# Altium PCB main.PcbDoc
Units mm, origin at the board's own origin, x right, y up, seen from the top; angles counter-clockwise.
Board outline 40 x 27 mm, 4 copper layers (L1 Signal top, L2 Inner top, L3 Inner bottom, L4 Signal bottom), stack 1.56 mm thick; 79 components, 42 nets, 254 pads, 211 vias.
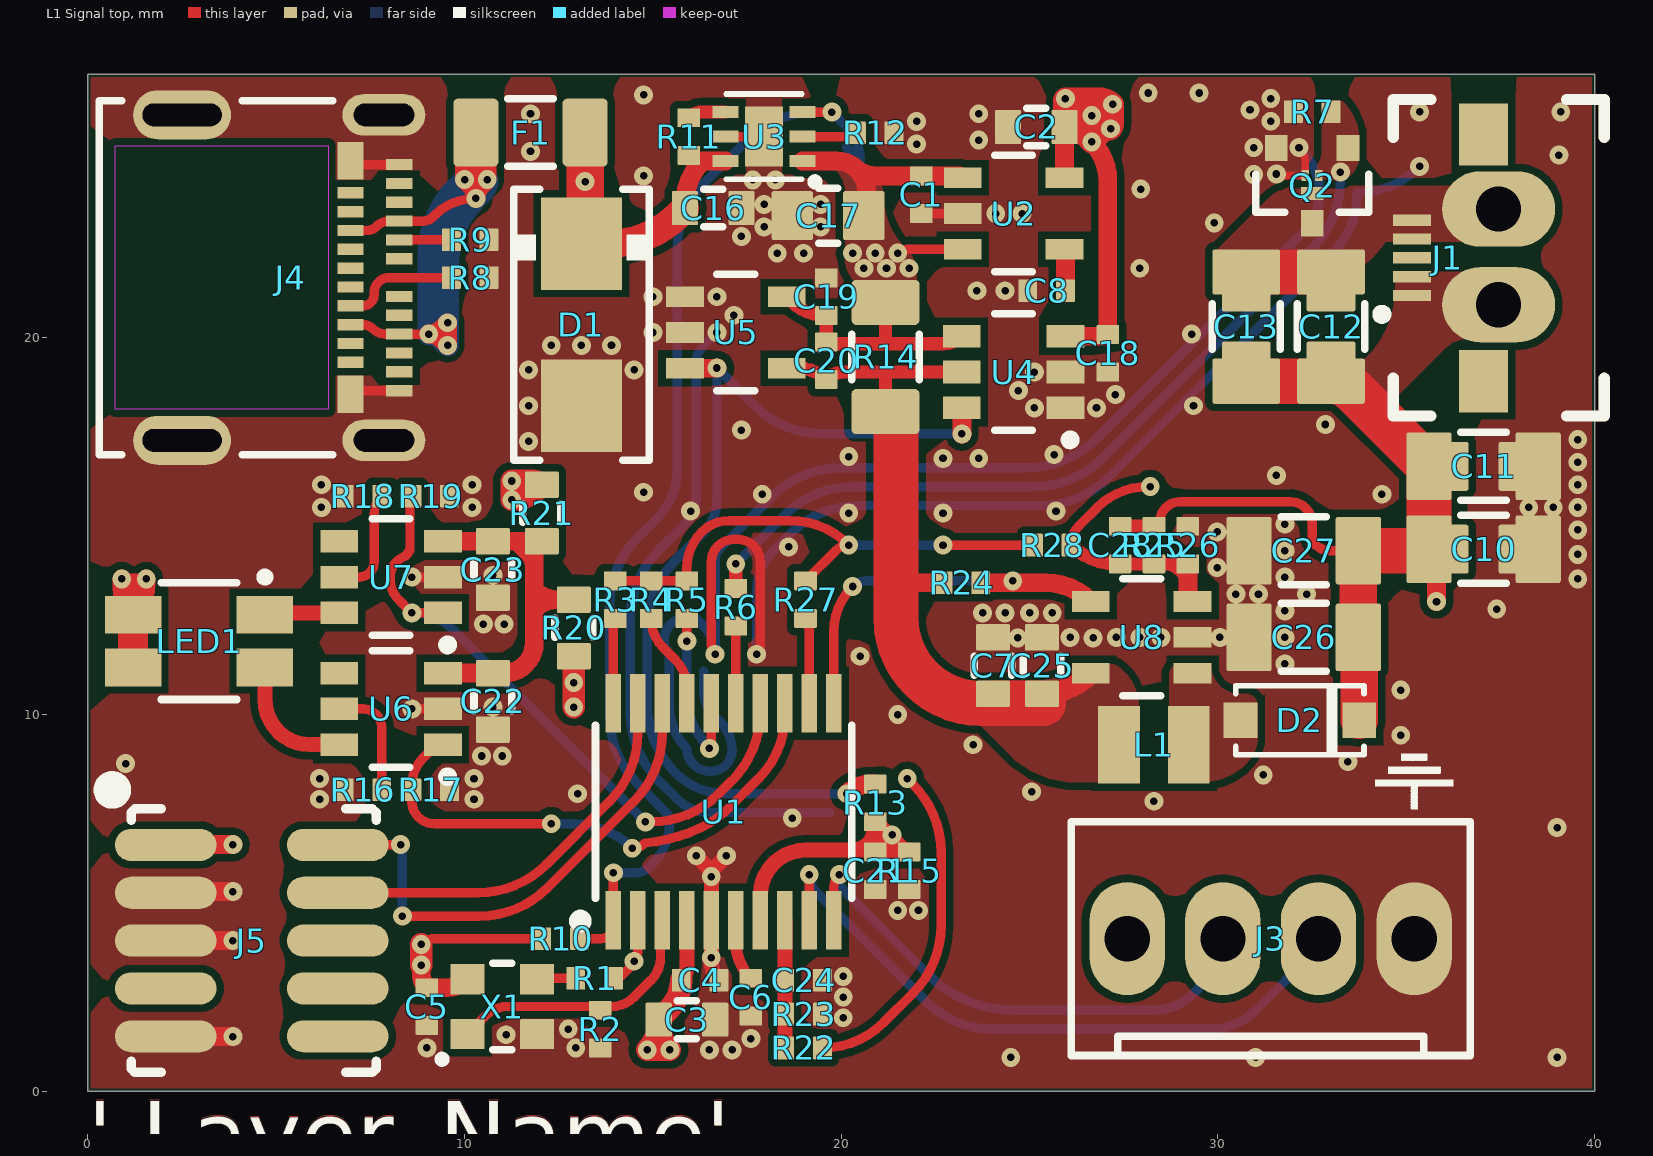
[diagram p0: L1 Signal top view]
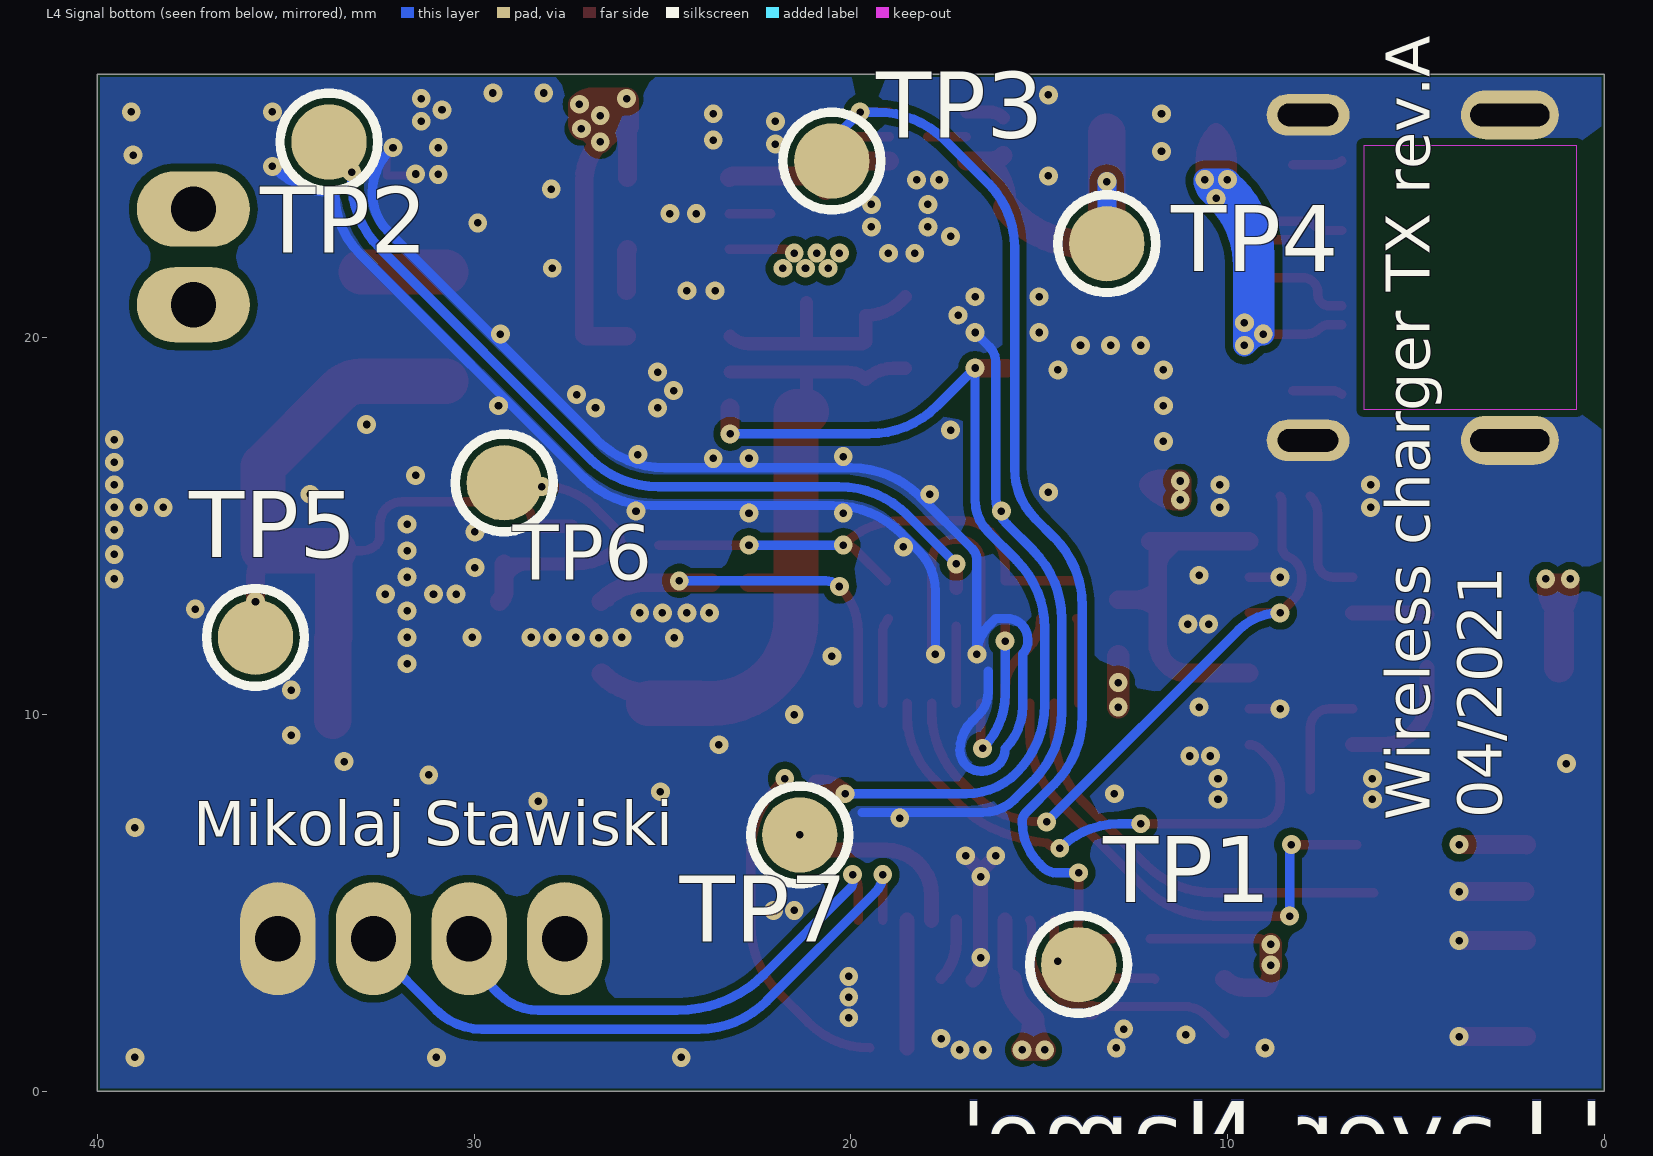
[diagram p1: L4 Signal bottom view, seen from below]
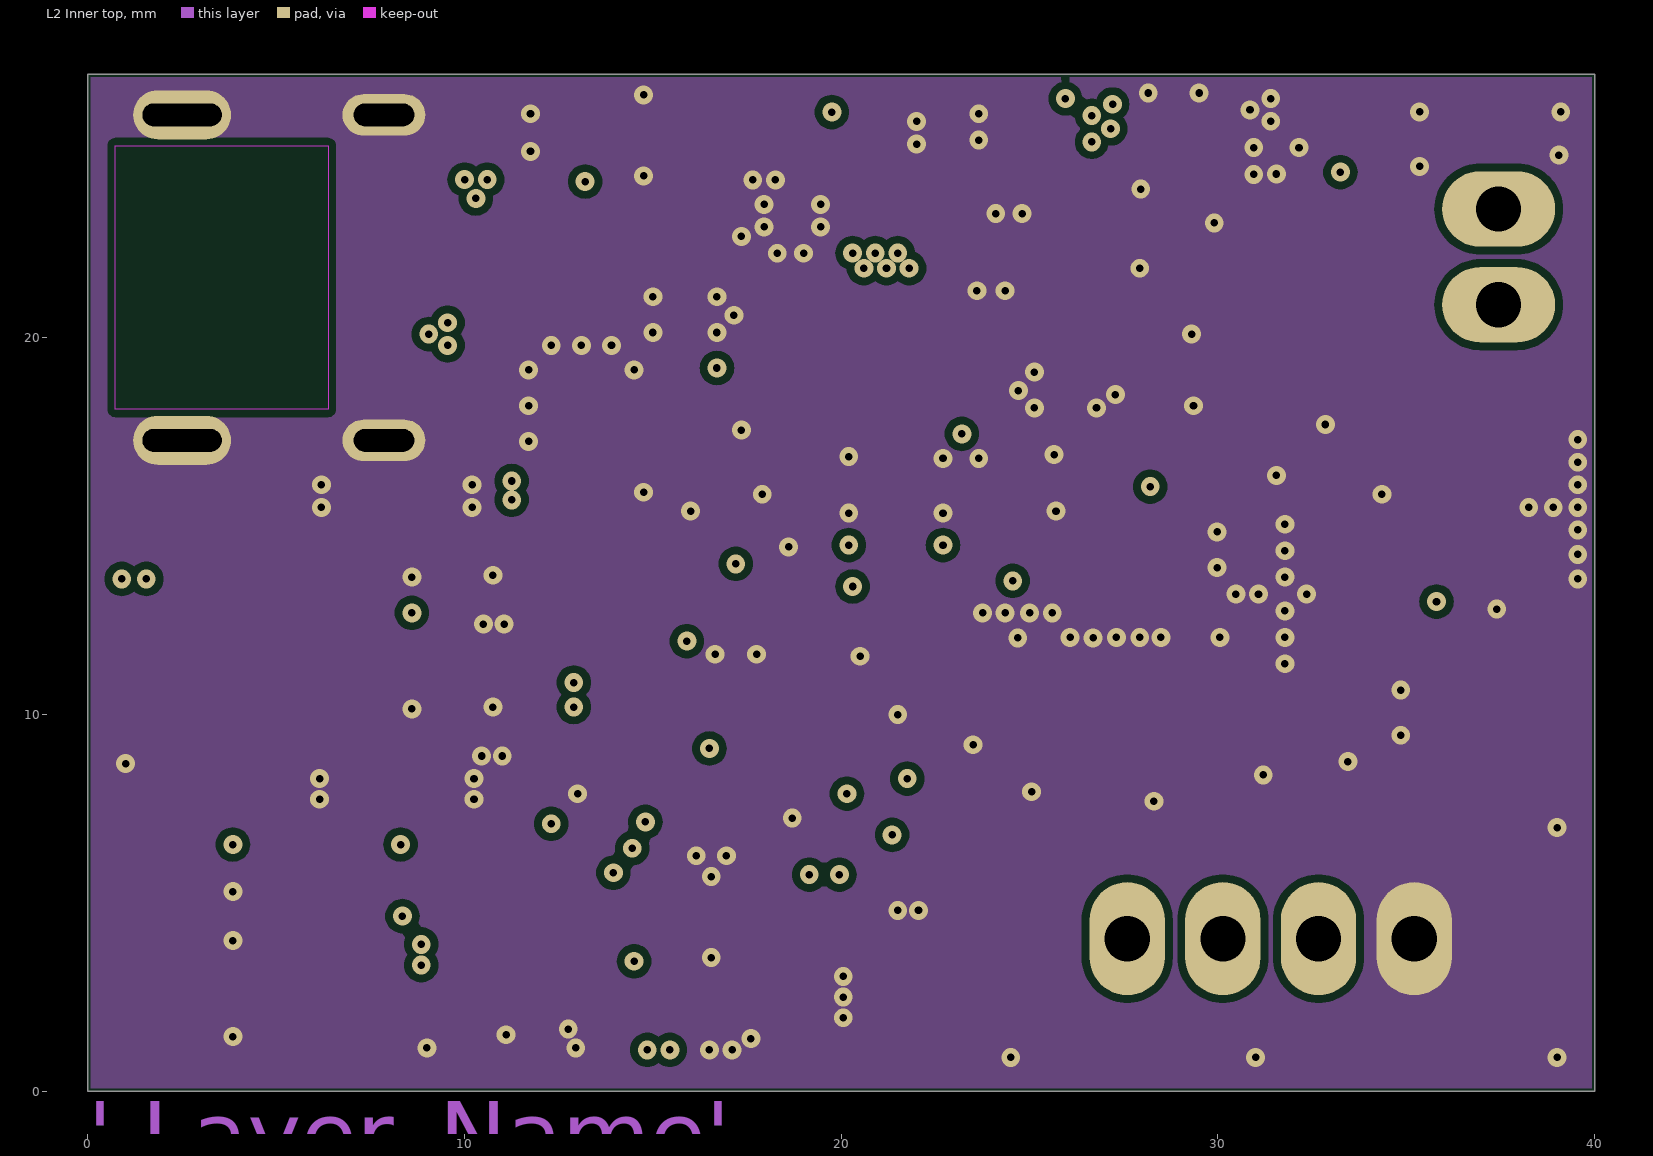
[diagram p2: L2 Inner top]
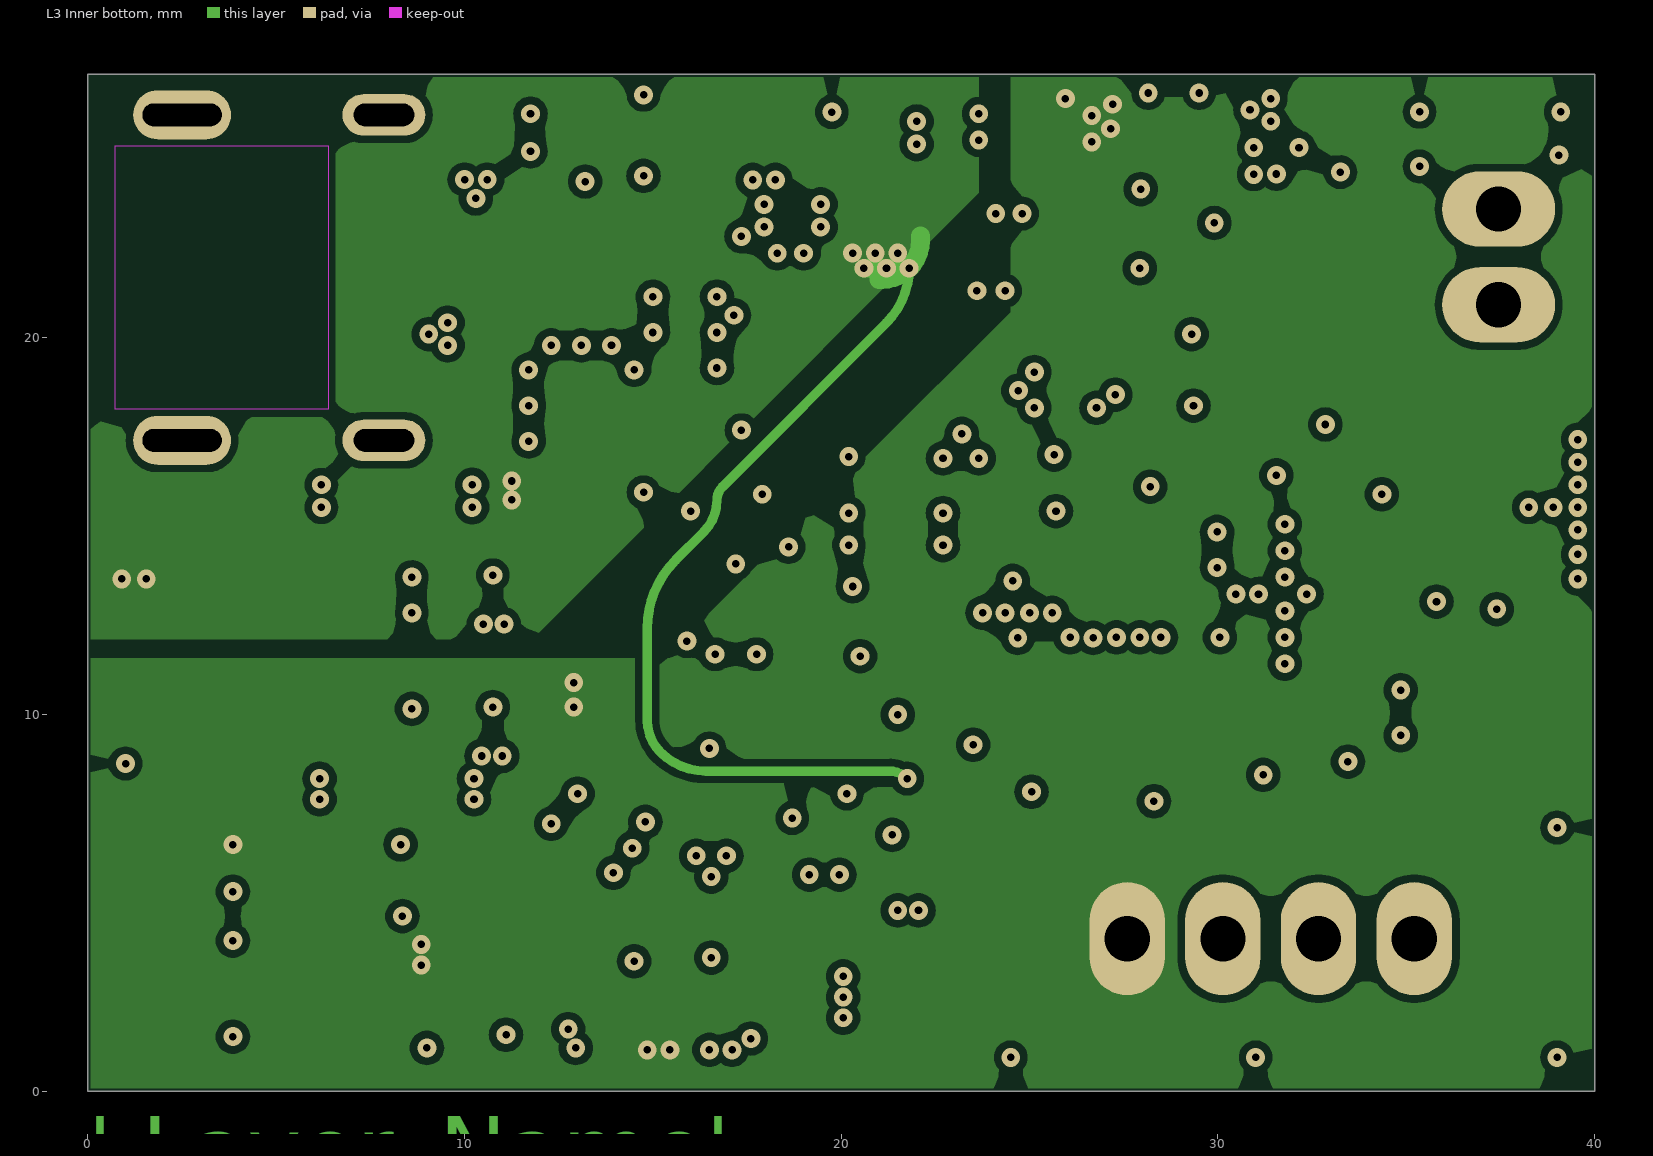
[diagram p3: L3 Inner bottom]
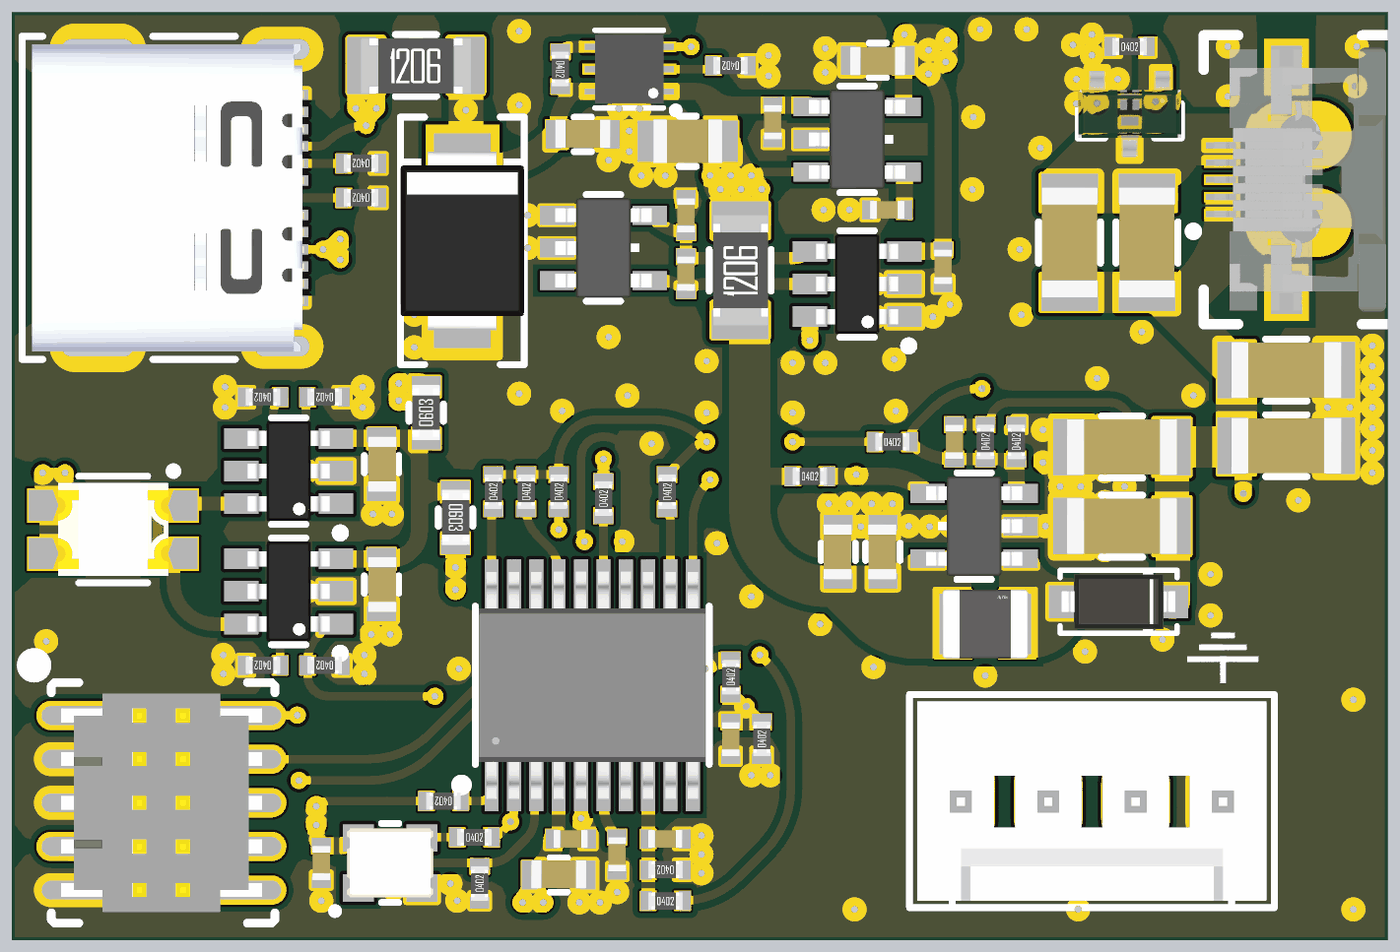
[diagram p4: 3D render of the assembled board from above, using the file's embedded part models]

## Layer stack, top to bottom
Top Solder: solder mask 0.02, Solder Resist, Dk 3.5
L1 Signal top: signal copper 0.035
Dielectric 1: prepreg 0.11, PP-006, Dk 4.1
L2 Inner top: signal copper 0.035
Dialectric FR4: core 1.2, FR-4, Dk 4.8
L3 Inner bottom: signal copper 0.035
Dielectric 2: prepreg 0.11, PP-006, Dk 4.1
L4 Signal bottom: signal copper 0.035
Bottom Solder: solder mask 0.02, Solder Resist, Dk 3.5

## Board outline
40,27 0,27 0,0 40,0

## Design rules (kind name [scope] priority, off if disabled: settings)
BoardOutlineClearance [All] p1: gap=0.076 ignorepadtopadclearanceinfootprint=FALSE
Clearance polygon_clearance [InPolygon] p1: gap=0.203 ignorepadtopadclearanceinfootprint=FALSE
Clearance [All] p2: gap=0.152 ignorepadtopadclearanceinfootprint=FALSE
HoleSize [All] p1: absolutevalues=TRUE maxlimit=3 minlimit=0.15 maxpercent=80.000 minpercent=20.000
HoleToHoleClearance [All] p1: gap=0 allowstackedmicrovias=FALSE
MinimumAnnularRing [All] p1: minimumring=0.1
MinimumSolderMaskSliver [All] p1: minsoldermaskwidth=0.025
PlaneClearance [All] p1: clearance=0.2
PlaneConnect [All] p1: planeconnectstyle=Relief reliefexpansion=0.15 reliefentries=4 reliefconductorwidth=0.1 reliefairgap=0.15
PolygonConnect [All] p1: connectstyle=Direct reliefconductorwidth=0.3 reliefentries=4 polygonreliefangle="90 Angle" airgapwidth=0.2
RoutingVias [All] p1: holewidth=0.2 width=0.5 viastyle="Through Hole" minholewidth=0.15 minwidth=0.3 maxholewidth=0.5 maxwidth=1.5
SilkToSilkClearance [All] p1: silktosilkclearance=0.05
SilkToSolderMaskClearance [IsPad] p1: minsilkscreentomaskgap=0 clearancetoexposedcopper=TRUE
SolderMaskExpansion [All] p1: expansion=0.102 istentingtop=FALSE
Width [All] p1: maxlimit=2.5 minlimit=0.152 preferedwidth=0.152
23 further rules are at their usual default settings.

## Components (designator, comment, footprint, x,y, rotation, side; value= is the part's Value field where it differs from the comment)
C1 "100nF" SMD_CAPACITOR_0402 22.125,23.8 r270 top
C2 "2.2uF" SMD_CAPACITOR_0603 25.175,25.6 r180 top
C3 "2.2uF" SMD_CAPACITOR_0603 15.9,1.9 r0 top
C4 "100nF" SMD_CAPACITOR_0402 16.25,2.95 r0 top
C5 "100nF" SMD_CAPACITOR_0402 9,2.25 r90 top
C6 "100nF" SMD_CAPACITOR_0402 17.6,2.5 r270 top
C7 "2.2uF" SMD_CAPACITOR_0603 24.025,11.3 r90 top
C8 "10nF" SMD_CAPACITOR_0402 25.45,21.25 r0 top
C10 "TBD" SMD_CAPACITOR_1206 37.05,14.39 r180 top
C11 "TBD" SMD_CAPACITOR_1206 37.05,16.59 r180 top
C12 "TBD" SMD_CAPACITOR_1206 33,20.3 r270 top
C13 "TBD" SMD_CAPACITOR_1206 30.75,20.3 r270 top
C16 "100nF" SMD_CAPACITOR_0603 16.6,23.444 r0 top
C17 "22uF" SMD_CAPACITOR_0805 19.65,23.244 r0 top
C18 "100nF" SMD_CAPACITOR_0402 27.075,19.592 r270 top
C19 "100nF" SMD_CAPACITOR_0402 19.6,21.092 r90 top
C20 "10nF" SMD_CAPACITOR_0402 19.6,19.392 r90 top
C21 "10pF" SMD_CAPACITOR_0402 20.9,5.855 r90 top
C22 "2.2uF" SMD_CAPACITOR_0603 10.75,10.35 r270 top
C23 "2.2uF" SMD_CAPACITOR_0603 10.75,13.85 r270 top
C24 "100nF" SMD_CAPACITOR_0402 19,2.95 r180 top
C25 "2.2uF" SMD_CAPACITOR_0603 25.325,11.3 r90 top
C26 "10uF" SMD_CAPACITOR_1206 32.275,12.05 r180 top
C27 "10uF" SMD_CAPACITOR_1206 32.275,14.35 r180 top
C28 "120pF" SMD_CAPACITOR_0402 27.4,14.5 r270 top
D1 "SMBJ5.0A" SMD_DIODE_DO-214AA 13.1,20.35 r90 top
D2 "MBR0540T1G" SOD-123 32.175,9.85 r0 top
F1 "C1Q500" SMD_RESISTOR_1206 11.75,25.45 r0 top
J1 "Receiver Coil" FPC_5PIN_0545500571 35.15,22.125 r90 top
J3 "DEBUG UART" HEADER_4PIN_0022272041 31.4,4.05 r0 top
J4 "USB-C" USBC_105450-0101 4.5,21.6 r270 top
J5 "SWD" CONN_SWD_10PIN 4.35,4 r0 top
L1 "10uH" 1008_MLP2520 28.3,9.2 r0 top
LED1 "APB3227" 1210_LED 2.95,11.95 r180 top
Q2 "NX7002BK" SOT23-3-GSD 32.5,24.04 r270 top
R1 "47R" SMD_RESISTOR_0402 13.45,3 r0 top
R2 "100k" SMD_RESISTOR_0402 13.6,1.65 r90 top
R3 "10k 1%" SMD_RESISTOR_0402 14,13.05 r90 top
R4 "10k 1%" SMD_RESISTOR_0402 14.95,13.05 r90 top
R5 "10k 1%" SMD_RESISTOR_0402 15.9,13.05 r90 top
R6 "47R" SMD_RESISTOR_0402 17.2,12.85 r90 top
R7 "100k" SMD_RESISTOR_0402 32.5,26 r0 top
R8 "5.1k" SMD_RESISTOR_0402 10.15,21.6 r180 top
R9 "5.1k" SMD_RESISTOR_0402 10.15,22.6 r180 top
R10 "10k 5%" SMD_RESISTOR_0402 12.55,4.05 r180 top
R11 "300k" SMD_RESISTOR_0402 15.95,25.344 r270 top
R12 "240k 1%" SMD_RESISTOR_0402 20.9,25.444 r180 top
R13 "TBD" SMD_RESISTOR_0402 20.9,7.655 r90 top
R14 "0.2R 1%" SMD_RESISTOR_1206 21.175,19.492 r90 top
R15 "TBD" SMD_RESISTOR_0402 21.8,5.855 r90 top
R16 "14.3k 1%" SMD_RESISTOR_0402 7.3,8 r180 top
R17 "100k" SMD_RESISTOR_0402 9.1,8 r180 top
R18 "14.3k 1%" SMD_RESISTOR_0402 7.3,15.8 r180 top
R19 "100k" SMD_RESISTOR_0402 9.1,15.8 r180 top
R20 "0R" SMD_RESISTOR_0603 12.9,12.3 r270 top
R21 "0R" SMD_RESISTOR_0603 12.05,15.35 r90 top
R22 "100k 1%" SMD_RESISTOR_0402 19,1.15 r0 top
R23 "100k 1%" SMD_RESISTOR_0402 19,2.05 r180 top
R24 "51k" SMD_RESISTOR_0402 23.2,13.5 r0 top
R25 "117k 1%" SMD_RESISTOR_0402 28.3,14.5 r90 top
R26 "13.3k 1%" SMD_RESISTOR_0402 29.2,14.5 r90 top
R27 "10k 1%" SMD_RESISTOR_0402 19.05,13.05 r90 top
R28 "10k 1%" SMD_RESISTOR_0402 25.6,14.5 r0 top
TP1 "Testpoint" "Testpoint 2mm" 13.95,3.362 r180 bottom
TP2 "Testpoint" "Testpoint 2mm" 33.85,25.2 r180 bottom
TP3 "Testpoint" "Testpoint 2mm" 20.5,24.694 r180 bottom
TP4 "Testpoint" "Testpoint 2mm" 13.2,22.5 r180 bottom
TP5 "Testpoint" "Testpoint 2mm" 35.8,12.05 r180 bottom
TP6 "Testpoint" "Testpoint 2mm" 29.2,16.15 r180 bottom
TP7 "Testpoint" "Testpoint 2mm" 21.35,6.805 r180 bottom
U1 "STM32G030F6" TSSOP20 16.875,7.42 r90 top
U2 "TPS799" SO23-5 24.575,23.3 r0 top
U3 "TPS25200" WSON6 17.95,25.344 r180 top
U4 "MAX4073" SOT23-6 24.575,19.092 r180 top
U5 "INA183" SO23-5 17.2,20.142 r0 top
U6 "FAN5622" SOT23-6 8.05,10.15 r180 top
U7 "FAN5622" SOT23-6 8.05,13.65 r180 top
U8 "LMR64010" SO23-5 27.975,12.05 r180 top
X1 "Oscillator TBD" ECS-2520MVLC 11,2.25 r0 top

## Footprints (in the part's own frame and the unit in brackets; to place one, negate y for a bottom-side part, rotate by r counter-clockwise, add the part's x,y. Pads: shape width x height; smd on the part's side, far side on the other; paste and mask are expansions set on the pad)
1008_MLP2520 [mm] "MLP2520"
  rect 1.105x2.058 smd paste-0.15 mask+0.05: 1(-0.926,0) 2(0.926,0)
  body extent -1.58,-1.17 1.58,1.17, height 0.25
1210_LED [mm] "LED 1210 (4-SMD)"
  rect 1.5x1 smd paste-10 mask+0.07: 1(-1.75,-0.7) 2(-1.75,0.7) 3(1.75,0.7) 4(1.75,-0.7)
  silkscreen extent -1.85,-1.8 1,1.55, body extent -1.6,-1.35 1.6,1.35, height 1.15
CONN_SWD_10PIN [mm]
  oval 2.7x0.85 smd paste-0.15 mask+0.07: 1(-2.286,2.54) 2(2.286,2.54) 3(-2.286,1.27) 4(2.286,1.27) 5(-2.286,0) 6(2.286,0) 7(-2.286,-1.27) 8(2.286,-1.27) 9(-2.286,-2.54) 10(2.286,-2.54)
  silkscreen extent -3.95,-3.5 3.3,4.25, body extent -2.92,-3.18 2.92,3.17, height 6.11
ECS-2520MVLC [mm] "ECS-2520MVLC"
  rect 0.9x0.8 smd: 1(-0.925,-0.725) 2(0.925,-0.725) 3(0.925,0.725) 4(-0.925,0.725)
  silkscreen extent -1.7,-1.5 0.25,1.15, body extent -1.25,-1 1.25,1, height 0.95
FPC_5PIN_0545500571 [mm]
  rect 0.3x1 smd paste-0.06 mask+0.07: 1(-1,0) 2(-0.5,0) 3(0,0) 4(0.5,0) 5(1,0)
  rect 1.65x1.3 smd paste-0.2 mask+0: ""(-3.275,-1.9) ""(3.275,-1.9)
  silkscreen extent -4.2,-5.1 4.2,0.93, body extent -3.85,-4.8 3.85,0.2, height 1.2
HEADER_4PIN_0022272041 [mm]
  oval 2x3 hole 1.2: 1(-3.81,0) 2(-1.27,0) 3(1.27,0) 4(3.81,0)
  silkscreen extent -5.3,-3.1 5.3,3.1, body extent -5.08,-2.9 5.08,2.9, height 11.7
SMD_CAPACITOR_0402 [mm]
  rrect10% 0.5x0.6 smd paste-1 mask+0.06: 1(-0.5,0) 2(0.5,0)
  body extent -0.5,-0.26 0.5,0.26, height 0.54
SMD_CAPACITOR_0603 [mm]
  rrect10% 0.7x0.9 smd paste-1 mask+0.08: 1(-0.75,0) 2(0.75,0)
  silkscreen extent -0.25,-0.5 0.25,0.5, body extent -0.8,-0.39 0.8,0.43, height 0.86
SMD_CAPACITOR_0805 [mm]
  rrect10% 1.1x1.3 smd paste-3: 1(-0.95,0) 2(0.95,0)
  silkscreen extent -0.25,-0.73 0.25,0.73, body extent -1,-0.64 1,0.64, height 1.29
SMD_CAPACITOR_1206 [mm]
  rrect10% 1.2x1.8 smd paste-1: 1(-1.45,0) 2(1.45,0)
  silkscreen extent -0.6,-0.9 0.6,0.9, body extent -1.6,-0.81 1.6,0.81, height 1.71
SMD_DIODE_DO-214AA [mm]
  rect 2.45x2.15 smd paste-0.25: 1(-2.15,0) 2(2.15,0)
  silkscreen extent -3.6,-1.9 3.6,1.9, body extent -2.6,-1.8 2.6,1.8, height 2.4
SMD_RESISTOR_0402 [mm]
  rrect10% 0.5x0.6 smd paste-1 mask+0.06: 1(-0.5,0) 2(0.5,0)
  body extent -0.5,-0.25 0.5,0.25, height 0.35
SMD_RESISTOR_0603 [mm]
  rrect10% 0.7x0.9 smd paste-1 mask+0.08: 1(-0.75,0) 2(0.75,0)
  silkscreen extent -0.25,-0.5 0.25,0.5, body extent -0.8,-0.39 0.8,0.41, height 0.45
SMD_RESISTOR_1206 [mm]
  rrect20% 1.2x1.8 smd paste-1: 1(-1.45,0) 2(1.45,0)
  silkscreen extent -0.6,-0.9 0.6,0.9, body extent -1.6,-0.81 1.6,0.79, height 0.6
SO23-5 [mm] "SOT23-5 (DBV0005A)"
  rect 1x0.55 smd mask+0.07: 1(-1.35,0.95) 2(-1.35,0) 3(-1.35,-0.95) 4(1.35,-0.95) 5(1.35,0.95)
  silkscreen extent -0.5,-1.55 0.5,1.55, body extent -1.4,-1.45 1.4,1.45, height 1.2
SOD-123 [mm] "SOD-123 CASE 425-04"
  rect 0.9x0.95 smd: 1(-1.575,0) 2(1.575,0)
  silkscreen extent -1.7,-0.92 1.7,0.92, body extent -1.65,-0.8 1.65,0.8, height 1.2
SOT23-3-GSD [mm] "Nexperia STO23-3 MOSFET footprint"
  rect 0.7x0.6 smd paste-0.1: D(1,0) G(-1,0.95) S(-1,-0.95)
  silkscreen extent -0.3,-1.5 0.7,1.5, body extent -1.24,-1.5 1.25,1.5, height 1.09
SOT23-6 [mm] "SOT23-6"
  rect 1x0.6 smd: 1(-1.375,0.95) 2(-1.375,0) 3(-1.375,-0.95) 4(1.375,-0.95) 5(1.375,0) 6(1.375,0.95)
  silkscreen extent -1.63,-1.55 0.5,1.92, body extent -1.19,-1.45 1.19,1.45, height 1
"Testpoint 2mm" [mm]
  round 2 smd: 1(0,0)
  silkscreen extent -1.3,-1.3 1.3,1.3
TSSOP20 [mm] "TSSOP20"
  rect 1.56x0.41 smd: 1(-2.88,2.925) 2(-2.88,2.275) 3(-2.88,1.625) 4(-2.88,0.975) 5(-2.88,0.325) 6(-2.88,-0.325) 7(-2.88,-0.975) 8(-2.88,-1.625) 9(-2.88,-2.275) 10(-2.88,-2.925) 11(2.88,-2.925) 12(2.88,-2.275) 13(2.88,-1.625) 14(2.88,-0.975) 15(2.88,-0.325) 16(2.88,0.325) 17(2.88,0.975) 18(2.88,1.625) 19(2.88,2.275) 20(2.88,2.925)
  silkscreen extent -3,-3.4 2.3,3.9, body extent -3.3,-3.3 3.3,3.3, height 1.25
USBC_105450-0101 [mm] "USB-C MOLEX 105450-0101"
  rect 0.3x0.7 smd: A1(-3,3.77) A2(-2.5,3.77) A3(-2,3.77) A4(-1.5,3.77) A5(-1,3.77) A6(-0.5,3.77) A7(0.5,3.77) A8(1,3.77) A9(1.5,3.77) A10(2,3.77) A11(2.5,3.77) A12(3,3.77) B2(2.25,2.47) B3(1.75,2.47) B4(1.25,2.47) B5(0.75,2.47) B6(0.25,2.47) B7(-0.25,2.47) B8(-0.75,2.47) B9(-1.25,2.47) B10(-1.75,2.47) B11(-2.25,2.47)
  rect 1x0.7 smd: B1(3.1,2.47) B12(-3.1,2.47)
  oval 1.1x2.2 hole 0.6 slot 1.6 at 90 deg: S1(-4.32,3.36) S2(4.32,3.36)
  oval 1.3x2.6 hole 0.6 slot 2.1 at 90 deg: S3(-4.32,-2) S4(4.32,-2)
  Keep-Out Layer region: 3.5,-3.773 -3.502,-3.773 -3.502,1.88 3.5,1.88
  Keep-Out Layer region: 3.5,-3.771 -3.501,-3.771 -3.501,1.88 3.5,1.88
  silkscreen extent -4.7,-4.2 4.7,2, body extent -4.47,-3.9 4.47,4, height 3.2
WSON6 [mm] "WSON6 with exposed pad"
  rect 0.69x0.32 smd paste-0.07: 1(-1.02,0.65) 2(-1.02,0) 3(-1.02,-0.65) 4(1.02,-0.65) 5(1.02,0) 6(1.02,0.65)
  rect 1x1.6 smd paste-2: 7(0,0)
  silkscreen extent -1.45,-1.13 1,1.3, body extent -1,-1 1,1, height 0.85
